# KiCad board STM32MP25XXAJ_DDR4.kicad_pcb (continued)
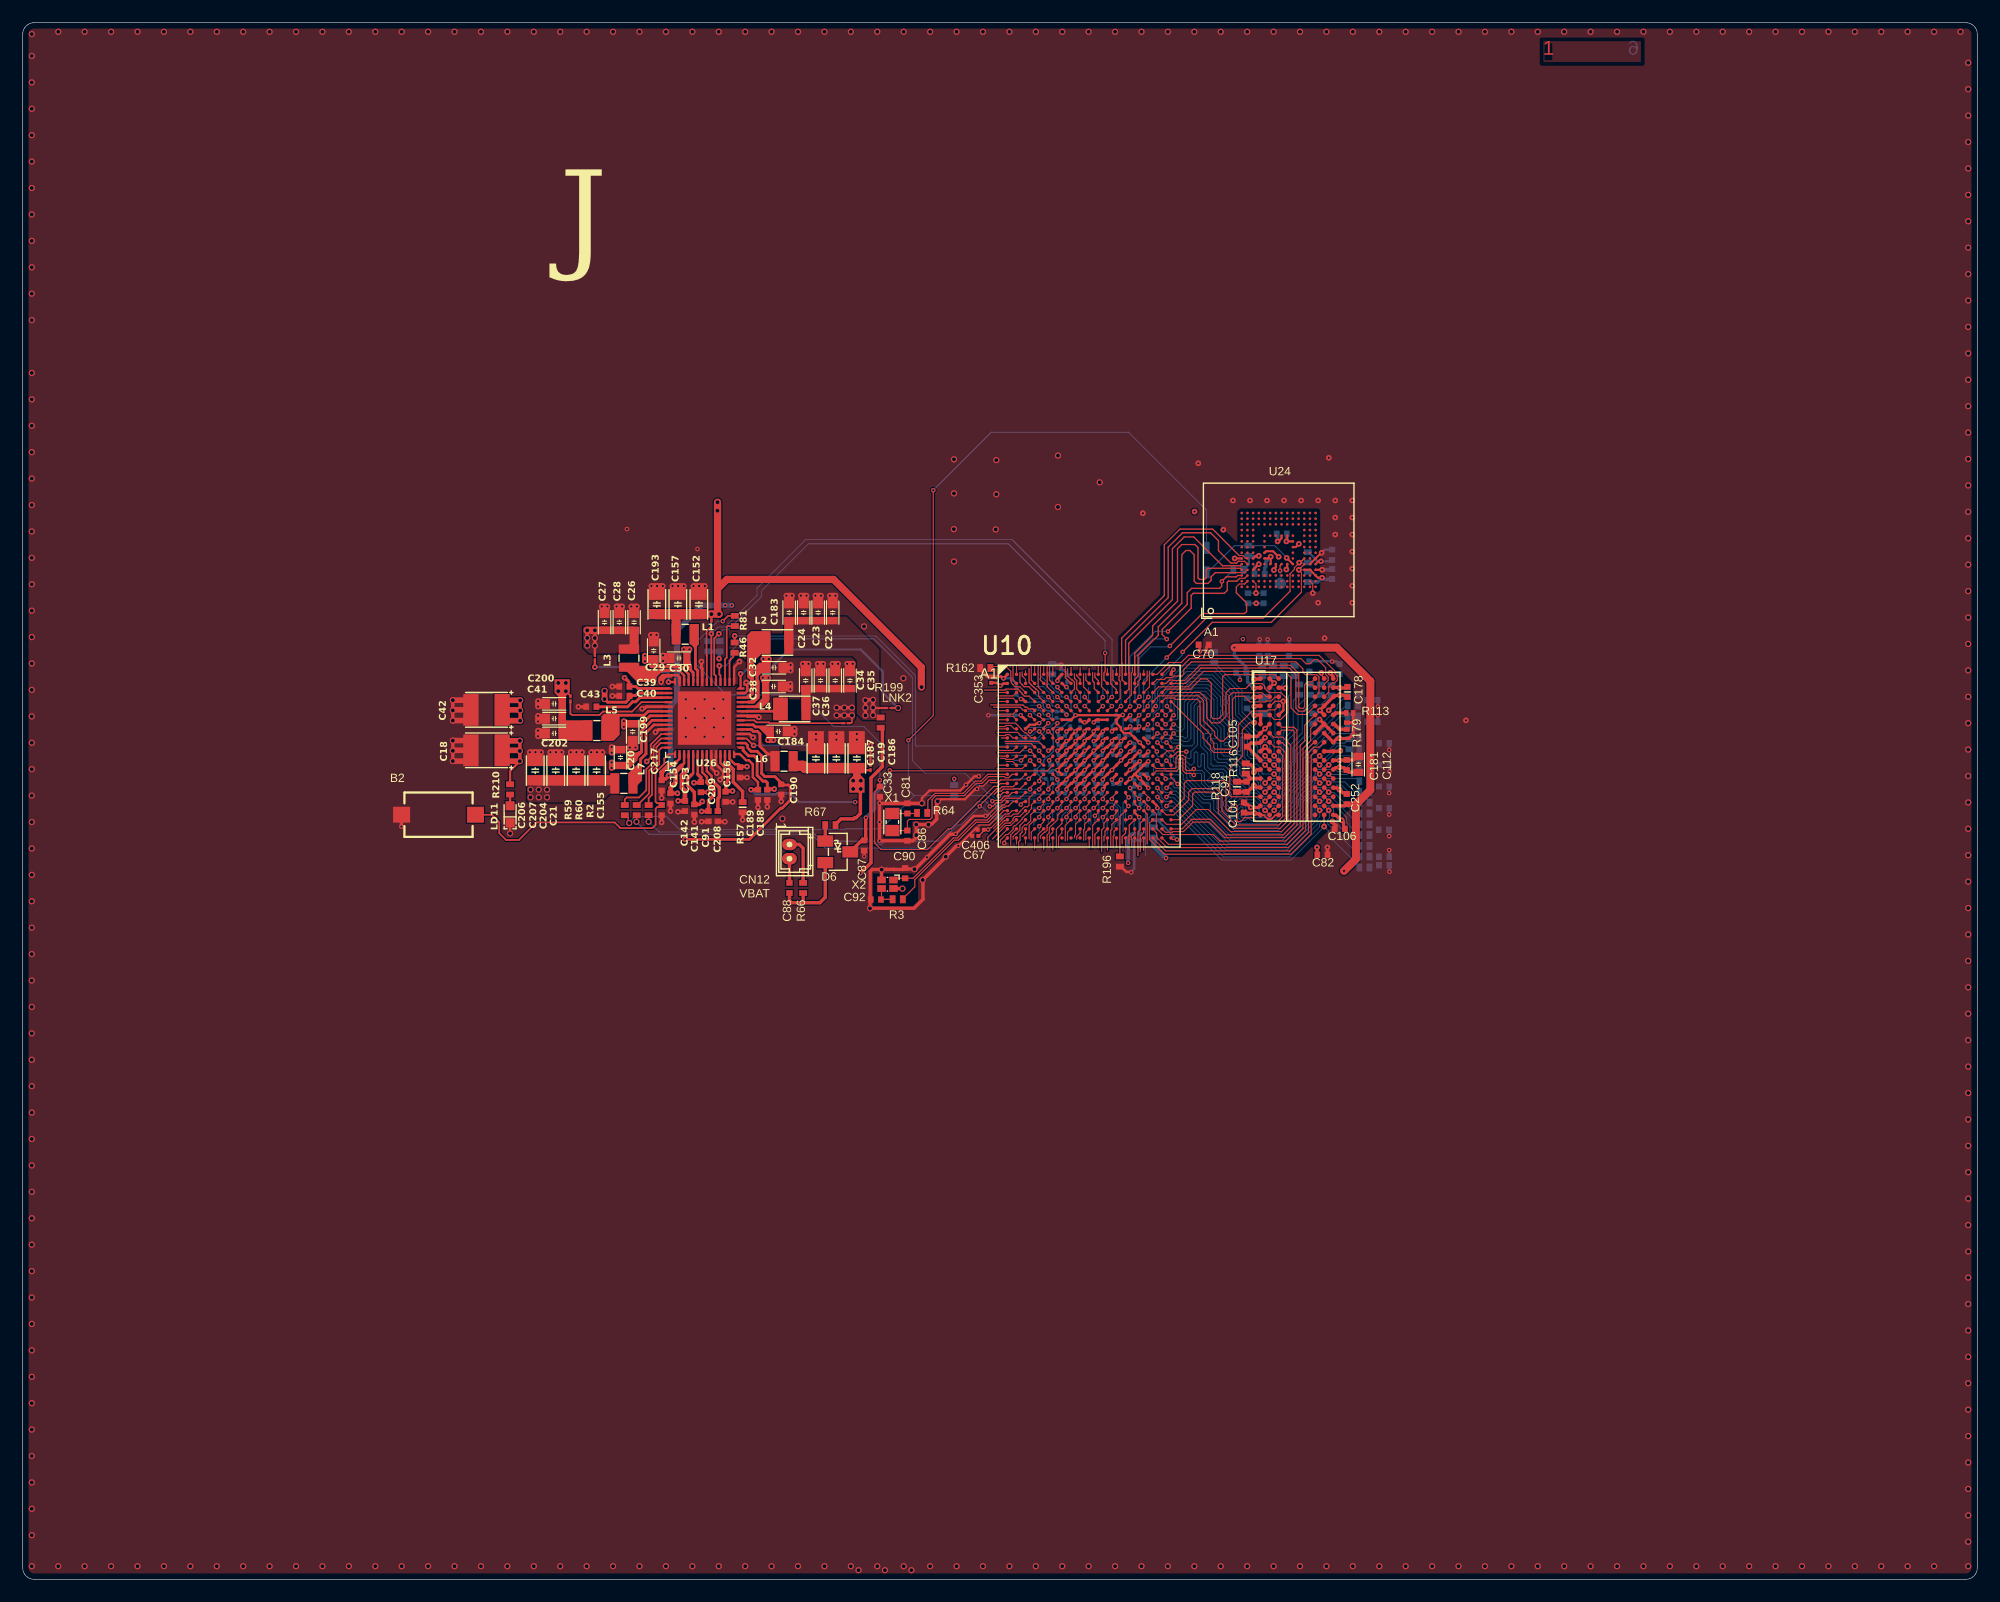
[diagram p0: board, top side]
## Routing (per net, layer and track width the routed paths; a pad name or vN(x,y) marks a point on that pad's centre or on a via; arc(x,y) is an arc through that point) (continued)
  vias: v2(109.33,70.08)
DDR_BG1: length 24.9
  Top Layer w0.09: 114.93,70.87 115.33,70.47 ; 100.65,72.05 U10.L19
  Top Layer w0.2: v1(100.64,72.05) 100.65,72.05
  Bottom Layer w0.09: 114.92,70.87 114.7,70.87 114.3,70.47 113.96,70.47 113.7,70.22 113.7,70.05 113.31,69.65 113.31,69.4 112.47,68.56 112.47,67.88 110.51,65.91 106.63,65.91 104.8,67.73 104.8,68.53 104.71,68.62 103.91,68.62 102.13,70.4 102.13,70.78 101.8,71.11 100.69,71.11 100.43,71.38 100.43,71.83 v1(100.64,72.05) ; v2(114.92,70.88) 114.97,70.83 116.51,70.83 116.88,71.2 R252.1
DDR_CASN: length 22.6
  Top Layer w0.09: 114.93,70.07 v2(114.92,70.08) 114.53,70.47 ; U10.M19 101.05,70.58 101.62,70
  Bottom Layer w0.09: 116.78,69.75 117.22,69.3 R278.1 ; 116.78,69.75 116.33,70.19 115.15,70.19 115.04,70.08 v2(114.92,70.08) ; v1(101.63,70) 101.72,70 106.39,65.33 110.75,65.33 112.89,67.48 112.89,68.39 113.73,69.23 113.73,69.44 113.97,69.68 114.44,69.68 114.83,70.07 114.92,70.07
DDR_CKE: length 26.8
  Top Layer w0.09: U10.F17 99.87,76.07 v1(99.88,76.07) ; 109.73,72.07 109.72,72.07 109.33,72.46
  Bottom Layer w0.09: R259.1 110.03,79.33 109.73,79.04 109.73,78.71 110.2,78.24 110.2,74.34 110.52,74.03 110.52,72.31 110.28,72.08 109.81,72.08 109.41,72.48 v2(109.32,72.48) 108.93,72.87 108.93,73.45 108.57,73.81 108.57,74.24 106.72,76.09 106.72,77.99 104.82,79.89 102.42,79.89 100.34,77.82 100.34,76.54 v1(99.88,76.07)
DDR_CLK_N: length 30
  Top Layer w0.09: 114.13,72.47 114.53,72.07 ; 99.45,71.65 99.74,71.36 101.39,71.36 101.48,71.45 ; 101.49,71.45 101.49,72.29 101.72,72.53 102.12,72.53 102.34,72.3 102.34,71.27 102.43,71.19 102.85,71.19 102.98,71.31 v1(103.06,71.31)
  Bottom Layer w0.09: 114.12,72.48 113.84,72.19 113.49,72.19 113.15,71.85 113.15,70.85 111.72,69.43 ; 116.78,73.95 116.68,73.95 116.47,73.74 116.47,73.72 116.35,73.6 115.58,73.6 115.1,73.11 115.1,72.75 114.61,72.26 114.38,72.26 114.17,72.47 v2(114.12,72.47) ; v1(103.06,71.31) 103.13,71.31 103.27,71.18 103.76,71.18 103.99,70.95 103.99,70.13 104.38,69.74 104.49,69.74 104.96,70.21 105.29,70.21 106.38,69.12 106.38,68.79 105.92,68.33 105.92,68.2 106.4,67.73 106.55,67.73 107.07,68.24 107.38,68.24 107.62,68 107.62,67.67 107.22,67.27 107.22,67.11 107.3,67.03 107.48,67.03 107.66,67.21 108.03,67.21 108.21,67.03 110.04,67.03 111.51,68.49 111.51,69.05 111.72,69.27 111.72,69.41
DDR_CLK_P: length 30
  Top Layer w0.09: 99.45,70.85 99.46,70.85 ; U10.M17 99.75,71.15 101.54,71.15 101.73,71.34 101.74,72.19 101.82,72.28 102.01,72.28 102.09,72.2 102.09,71.17 102.32,70.94 102.85,70.94 103,70.79 v1(103.06,70.79) ; 113.73,72.07 114.13,71.67
  Bottom Layer w0.09: 114.12,71.68 113.86,71.94 113.6,71.94 113.4,71.74 113.4,70.75 111.97,69.32 ; 111.97,69.32 111.97,69.17 111.76,68.95 111.76,68.39 110.15,66.78 108.1,66.78 107.92,66.96 107.76,66.96 107.58,66.78 107.2,66.78 106.97,67.01 106.97,67.37 107.37,67.78 107.37,67.9 107.28,67.99 107.17,67.99 106.66,67.48 106.29,67.48 105.67,68.09 105.67,68.44 106.13,68.89 106.13,69.02 105.18,69.96 105.06,69.96 104.59,69.49 104.27,69.49 103.74,70.03 103.74,70.85 103.65,70.93 103.27,70.93 103.12,70.79 v1(103.06,70.79) ; 116.78,73.05 116.56,73.26 116.46,73.26 116.37,73.35 115.69,73.35 115.35,73.01 115.35,72.64 114.72,72.01 arc(114.72,72.01) 114.72,72.01 114.47,72.01 114.13,71.68 v2(114.12,71.68)
DDR_CSN: length 26.9
  Top Layer w0.09: U10.J17 99.8,72.9 v1(99.8,72.85) ; 113.73,71.27 114.13,70.87
  Bottom Layer w0.09: v2(114.12,70.88) 114.08,70.88 113.51,70.3 113.51,70.16 113.1,69.75 113.1,69.64 112.55,69.08 112.55,68.94 112.26,68.65 112.26,68.08 110.39,66.2 106.75,66.2 106.6,66.35 106.6,66.55 106.46,66.7 106.25,66.7 105.09,67.85 105.09,68.82 105,68.91 104.03,68.91 102.42,70.52 102.42,71.14 101.99,71.58 101.7,71.58 101.52,71.4 101.09,71.4 101,71.49 101,72.2 100.57,72.63 100.33,72.63 100.09,72.4 99.93,72.4 99.81,72.53 99.81,72.84 ; 117.63,72.16 117.58,72.11 117.16,72.11 116.13,71.08 115.71,71.08 115.52,71.27 114.55,71.27 114.15,70.87 114.1,70.87
DDR_DQ0: length 22.8
  Top Layer w0.09: U17.F7 113.34,74.89 113.34,73.8 112.66,73.12 112.66,66.1 111.25,64.69 100.82,64.69 100.26,65.25
DDR_DQ1: length 23.6
  Top Layer w0.09: U10.W17 99.45,65.24 100.58,64.11 111.49,64.11 113.14,65.76 113.14,72.78 113.6,73.24 114.09,73.24 ; 114.1,73.24 114.53,73.67
DDR_DQ2: length 23.2
  Top Layer w0.09: U10.V17 99.45,66.02 99.78,65.69 99.78,65.32 100.7,64.4 111.37,64.4 112.9,65.93 112.9,72.95 113.63,73.68 U17.H7 ; 113.72,73.67 113.73,73.67
DDR_DQ3: length 24.8
  Top Layer w0.09: 99.45,66.85 99.15,66.55 99.15,65.11 100.44,63.82 111.61,63.82 113.38,65.59 113.38,72.53 U17.J7
DDR_DQ4: length 22.4
  Top Layer w0.09: 101.06,67.65 101.1,67.65 102.21,68.75 102.21,70.06 102.44,70.29 105.63,70.29 105.88,70.04 105.88,67.76 106.06,67.58 106.21,67.58 106.34,67.71 106.34,68.06 106.5,68.22 106.74,68.22 106.86,68.11 106.86,66.78 106.96,66.68 107.18,66.68 107.53,67.03 108.22,67.03 108.57,66.68 110.42,66.68 110.87,67.13 110.87,72.51 110.53,72.86 110.53,72.87
DDR_DQ5: length 22.4
  Top Layer w0.09: 100.25,67.65 100.63,67.28 101.3,67.28 102.6,68.58 102.6,69.28 102.92,69.59 105,69.59 105.53,69.07 105.53,67.63 106.77,66.39 110.54,66.39 111.11,66.96 111.11,72.78 110.63,73.25 110.15,73.25 109.73,73.67
DDR_DQ6: length 21.7
  Top Layer w0.09: 101.06,66.85 101.71,66.85 102.95,68.09 102.95,69.1 103.14,69.29 104.85,69.29 105.21,68.93 105.21,67.45 106.56,66.1 110.66,66.1 111.35,66.79 111.35,73.13 110.85,73.62 110.58,73.62 110.53,73.67
DDR_DQ7: length 22.3
  Top Layer w0.09: 109.73,74.47 110.08,74.12 110.88,74.12 111.59,73.4 111.59,66.62 ; 100.25,66.85 100.65,66.45 101.98,66.45 103.28,67.75 104.34,67.75 106.29,65.81 110.78,65.81 111.59,66.62
DDR_DQ8: length 18.5
  Top Layer w0.09: U17.D7 112.97,76.12 112.18,76.12 111.61,76.69 111.61,79.36 111.06,79.91 103.92,79.91 ; 103.92,79.91 103.91,79.91 102.55,78.55 99.95,78.55 99.45,78.05
DDR_DQ9: length 17.6
  Top Layer w0.09: U17.B8 114.53,78.48 114.53,78.77 114.88,79.11 114.88,79.41 114.66,79.62 114.66,80.23 113.94,80.96 113.63,80.96 113.24,80.58 112.94,80.58 112.48,81.03 102.7,81.03 102.07,80.41 101,80.41 100.25,79.66 U10.A18
DDR_DQ10: length 18.3
  Top Layer w0.09: U10.B17 99.8,79.2 100.47,79.2 100.62,79.36 101.2,79.36 101.34,79.5 102,79.5 102.17,79.68 102.17,80.08 102.84,80.74 112.04,80.74 112.65,80.13 112.65,79.83 112.86,79.62 113.87,79.62 114.07,79.41 114.07,78.03 U17.C7
DDR_DQ11: length 20.2
  Top Layer w0.09: U17.C8 114.93,78.08 114.93,78.58 115.25,78.9 115.45,78.9 115.68,79.13 115.68,79.51 115.48,79.71 115.48,79.92 114.08,81.32 102.58,81.32 101.95,80.7 100.87,80.7 99.82,79.65 U10.A17
DDR_DQ12: length 14.6
  Top Layer w0.09: 101.06,77.26 103.86,74.45 103.86,74.05 104.52,73.4 104.52,73.07 104.81,72.77 106.46,72.77 106.99,73.31 106.99,75.22 108.19,76.42 109.5,76.42 109.6,76.52 110.19,76.52 110.53,76.87
DDR_DQ13: length 18.7
  Top Layer w0.09: 108,77.23 107.51,77.72 106.73,77.72 106.47,77.45 106.47,73.21 106.32,73.06 104.93,73.06 104.81,73.19 104.81,73.66 104.55,73.92 104.55,74.32 103.6,75.27 103.6,77.23 103.38,77.45 101.45,77.45 101.32,77.57 100.57,77.57 100.25,77.25 ; 110.53,77.67 110.52,77.65 110.21,77.65 109.86,77.31 109.46,77.31 109.38,77.22 108,77.22
DDR_DQ14: length 17.3
  Top Layer w0.09: 99.45,77.25 99.96,77.76 103.49,77.76 103.89,77.35 103.89,75.57 104.89,74.58 104.89,74.25 105.37,73.78 105.65,73.78 106.18,74.3 106.18,77.76 106.44,78.03 108.78,78.03 108.78,78.03 109.07,78.03 109.41,77.69 109.71,77.69 U17.C2
DDR_DQ15: length 17.6
  Top Layer w0.09: 100.25,78.05 100.55,78.35 102.77,78.35 103.66,79.25 104.2,79.25 104.59,78.86 104.59,75.9 104.75,75.75 105.23,75.75 105.6,76.11 105.6,79.43 105.79,79.62 110.18,79.62 U17.A3
DDR_DQM0: length 25.7
  Top Layer w0.09: U17.E7 112.81,75.16 112.81,73.79 112.42,73.39 112.42,66.27 111.12,64.98 105.34,64.98 104.78,65.55 100.34,65.55 99.75,66.13 99.75,67.35 99.45,67.65
DDR_DQM1: length 18.8
  Top Layer w0.09: U10.C19 103.62,78.05 104.18,77.48 104.18,75.82 104.62,75.38 105.33,75.38 105.89,75.94 105.89,78.03 106.26,78.4 107.62,78.4 108.06,78.83 109.07,78.83 109.28,78.62 109.28,78.43 109.67,78.04 110.72,78.04 111.32,77.44 111.32,76.29 110.71,75.68 110.13,75.68 109.73,76.07
DDR_DQS0_N: length 23.6
  Top Layer w0.09: 100.25,66.05 100.55,65.75 101.16,65.75 101.22,65.8 102.15,65.8 102.99,66.64 104.42,66.64 105.79,65.27 111,65.27 112.13,66.39 112.13,74.73 111.87,74.99 110.81,74.99 110.53,75.27
DDR_DQS0_P: length 21.8
  Top Layer w0.09: 110.53,74.47 110.79,74.74 111.77,74.74 111.88,74.63 111.88,66.5 110.9,65.52 105.9,65.52 104.52,66.89 102.88,66.89 102.04,66.05 U10.V19
DDR_DQS1_N: length 19.7
  Top Layer w0.09: U10.B18 100.62,78.85 100.92,79.15 101.17,79.15 101.22,79.1 102.24,79.1 103.59,80.45 111.57,80.45 112.29,79.73 112.29,76.77 112.4,76.66 112.69,76.66 112.81,76.78 112.81,78.74 113.05,78.98 113.45,78.98 113.73,79.27
DDR_DQS1_P: length 18.8
  Top Layer w0.09: U10.B19 102.34,78.85 103.69,80.2 103.7,80.2 111.47,80.2 112.04,79.62 112.04,76.67 112.3,76.41 112.79,76.41 113.06,76.67 113.06,78.64 113.16,78.73 113.45,78.73 113.73,78.45
DDR_ODT: length 29.9
  Top Layer w0.09: 110.12,72.47 110.53,72.07 ; v1(100.65,73.65) U10.J19
  Bottom Layer w0.09: 110.06,72.51 109.75,72.82 109.75,73.48 109.56,73.67 109.12,73.67 108.86,73.93 108.86,74.36 107.01,76.21 107.01,78.11 104.94,80.18 102.3,80.18 100.05,77.94 100.05,76.71 99.85,76.51 99.83,76.51 99.49,76.17 99.49,74.3 99.74,74.05 99.96,74.05 100.19,73.82 100.19,73.72 100.27,73.64 100.65,73.64 ; v2(110.12,72.48) 110.12,73.9 109.75,74.27 109.75,78.13 109.23,78.65 109.23,79.29 109.02,79.5
DDR_RASN: length 26.4
  Top Layer w0.09: v1(99.85,73.65) U10.J18 ; 114.53,71.27 114.93,71.67
  Bottom Layer w0.09: 114.92,71.68 115.73,72.49 117.11,72.49 117.63,73.01 117.63,73.11 ; 114.92,71.67 114.69,71.67 114.29,71.27 113.95,71.27 113.73,71.05 113.73,70.92 113.73,70.9 113.73,70.9 113.73,70.79 113.3,70.36 113.3,70.23 112.26,69.2 112.26,68.95 112.05,68.74 112.05,68.28 110.27,66.49 107.07,66.49 106.58,66.99 106.37,66.99 105.38,67.97 105.38,68.94 105.12,69.2 104.15,69.2 102.71,70.64 102.71,71.26 102.11,71.87 101.4,71.87 101.29,71.98 101.29,72.32 100.59,73.02 100.48,73.02 v1(99.85,73.65)
  vias: v2(114.92,71.68)
DDR_RESETN: length 24.9
  Top Layer w0.09: v2(108.38,75.4) 107.97,75.4 107.32,74.75 107.32,72.45 106.22,71.34 106.22,69 106.34,68.87 108.93,68.87 ; 99.45,76.45 99.45,76.69 99.55,76.79
  Bottom Layer w0.09: 104.85,80.68 107.3,78.23 107.3,76.34 108.26,75.38 108.37,75.38 ; R176.2 104.64,80.49 104.51,80.49 104.49,80.47 102.18,80.47 99.86,78.16 99.86,77.26 99.73,77.13 99.73,76.88 99.7,76.85
  vias: v1(99.71,76.85)
DDR_WEN: length 27.7
  Top Layer w0.09: U10.E18 100.57,76.12 v1(100.57,76.05) ; 109.33,71.67 109.73,71.27
  Bottom Layer w0.09: 100.58,76.05 101.03,76.51 101.03,77.69 102.66,79.31 104.58,79.31 106.1,77.79 106.1,77.38 105.99,77.27 105.99,77.12 106.14,76.97 106.14,76.33 105.99,76.18 105.99,76 106.86,75.12 106.86,74.57 106.98,74.45 107.53,74.45 107.77,74.22 107.77,72.49 107.77,72.49 108.02,72.24 108.56,72.24 108.81,71.99 ; 108.81,71.99 108.99,71.99 109.3,71.67 109.33,71.67 109.73,71.27 110.28,71.27 110.57,71.56 110.57,71.82 110.93,72.18 110.93,74.53 111.38,74.98 111.38,77.73 111.57,77.93 111.57,79.12 111.92,79.48
  vias: v2(109.32,71.68)
DSI_CKN: length 1.6
  Top Layer w0.09: U10.B4 88.75,79.15 88.75,80.36
DSI_CKP: length 0.8
  Top Layer w0.09: U10.A4 89.05,80.46
DSI_D0N: length 0.8
  Top Layer w0.1: U10.A6 90.65,80.44
DSI_D0P: length 1.7
  Top Layer w0.1: 90.36,80.4 90.36,79.78 90.35,79.77 90.35,79.53 90.36,79.52 90.36,79.14 U10.B6
DSI_D1N: length 0.8
  Top Layer w0.09: U10.A5 89.85,80.46
DSI_D1P: length 1.7
  Top Layer w0.09: 89.56,80.39 89.56,79.78 89.56,79.77 89.56,79.53 89.56,79.52 89.56,79.14 U10.B5
DSI_D2N: length 0.3
  Top Layer w0.09: U10.A3 88.25,79.98
DSI_D2P: length 1.2
  Top Layer w0.09: U10.B3 88.25,79.2 87.95,79.5 87.95,79.88
DSI_D3N: length 0.8
  Top Layer w0.09: U10.A2 87.45,80.46
DSI_D3P: length 1.7
  Top Layer w0.09: 87.14,80.38 87.14,79.16 U10.B2
eMMC.SDMMC2_CK: length 24.8
  Top Layer w0.09: 111.53,86.96 111.53,88.5 111.82,88.8 111.82,88.8 111.91,88.88 111.91,89.03 112.32,89.45 v2(112.32,89.48)
  Top Layer w0.11: 112.4,89.48 v2(112.32,89.48) 112.4,89.48 ; 112.4,89.48 U24.M6 112.4,89.48 ; v1(98.24,76.05) 97.85,75.66 U10.F15 ; v1(100.67,81.12) 104.15,84.6 109.16,84.6 111.53,86.96
  Bottom Layer w0.11: 112.35,89.45 113.05,89.45 R49.1 ; 100.67,81.15 98.64,79.11 98.64,76.45 v1(98.24,76.05)
eMMC.SDMMC2_CMD: length 23.7
  Top Layer w0.09: v2(112.3,88.85) 112.3,88.83 112.53,88.61 112.53,86.88
  Top Layer w0.11: U24.M5 112.78,89.34 112.3,88.86 v2(112.3,88.85) ; 102.08,81.62 104.68,84.23 109.88,84.23 112.53,86.88 ; 98.64,75.65 99.04,76.05
  Bottom Layer w0.11: 113.12,88.65 112.92,88.85 v2(112.3,88.85) 112.29,88.84 ; v1(102.07,81.62) 102.05,81.6 102.05,81.36 100.89,80.2 100.89,80 99.64,78.75 99.64,77.32 99.35,77.04 99.35,76.32 99.08,76.05 v1(99.05,76.05)
eMMC.SDMMC2_D0: length 20.8
  Top Layer w0.11: U24.A3 106.92,88.35 106.8,88.23 105.9,88.23 105.51,87.83 ; U10.E15 v1(98.25,76.85) ; v1(105.53,87.83) 105.51,87.81 105.51,87.4 105.32,87.22 102.86,87.22 102.47,86.83 102.47,85.8 100.28,83.6 100.28,83.15 v1(100.67,82.75)
  Bottom Layer w0.11: v1(105.53,87.83) 106.55,88.85 106.55,88.9 ; 100.65,82.78 99.48,82.78 97.88,81.18 97.88,77.19 98.22,76.85
eMMC.SDMMC2_D1: length 22.1
  Top Layer w0.11: U24.A4 107.14,88.98 104.28,88.98 104.15,88.85 104.15,88.15 104,88 103.55,88 103.42,88.12 103.42,90.8 103.16,91.07 102,91.07 101.62,90.7 101.62,86.09 99.43,83.9 99.43,83.07 97.85,81.49 U10.A15
eMMC.SDMMC2_D2: length 22
  Top Layer w0.11: 107.27,89.35 107.13,89.21 105.58,89.21 103.05,91.74 102.21,91.74 101.17,90.7 101.17,86.22 97.33,82.38 97.33,79.8 97.35,79.78 97.35,78.36 U10.C14
eMMC.SDMMC2_D3: length 18.7
  Top Layer w0.09: 107.53,87.6 107.05,87.6 106.8,87.35
  Top Layer w0.11: U10.D15 v1(98.28,77.68) ; 106.8,87.35 106.8,86.83 107.7,85.93 107.7,85.18 107.52,85 103.8,85 v1(100.95,82.15) ; 107.53,87.6 U24.B2
  Bottom Layer w0.11: 98.25,77.68 98.25,81.07 99.25,82.07 100.85,82.07
eMMC.SDMMC2_D4: length 19.4
  Top Layer w0.09: 107.09,88.1 107.53,88.1
  Top Layer w0.11: U10.E14 97.52,76.92 ; v1(100.78,83.43) 102.82,85.48 102.82,86.6 103.01,86.78 105.74,86.78 106,87.04 106,87.75 106.1,87.85 106.85,87.85 107.09,88.1 ; 107.53,88.1 U24.B3
  Bottom Layer w0.11: 97.42,76.83 97.42,81.2 99.65,83.43 v1(100.78,83.43)
  vias: v1(97.45,76.83)
eMMC.SDMMC2_D5: length 22.2
  Top Layer w0.09: 106.8,88.6 107.53,88.6
  Top Layer w0.11: U10.B15 97.85,79.2 98.16,79.51 98.16,81.31 99.92,83.08 99.92,83.83 102,85.9 102,90.19 102.36,90.55 102.71,90.55 103.09,90.17 103.09,87.84 103.28,87.65 104.3,87.65 104.57,87.93 104.57,88.23 104.95,88.6 106.8,88.6 ; 107.53,88.6 U24.B4
eMMC.SDMMC2_D6: length 22
  Top Layer w0.09: 107.05,89.6 107.53,89.6
  Top Layer w0.11: 97.05,80.2 97.05,82.65 100.8,86.4 100.8,90.84 102.06,92.11 104.53,92.11 105.22,91.41 105.22,90.53 106.31,89.45 106.82,89.45 106.97,89.6 107.05,89.6 ; U10.A14 97.05,80.19 ; 107.53,89.6 U24.B5
eMMC.SDMMC2_D7: length 22.9
  Top Layer w0.09: 107.62,89.87 107.38,90.1 107.05,90.1
  Top Layer w0.11: U24.B6 107.76,89.87 107.62,89.87 ; U10.B14 96.75,79.16 96.75,80.61 96.7,80.65 96.7,82.83 100.46,86.58 100.46,91.05 101.84,92.43 104.72,92.43 107.05,90.1
HSE_IN: length 12.9
  Top Layer w0.1: 86.65,68.45 86.34,68.14 86.18,68.14 84.88,66.83 83.83,66.83 82.25,65.25 81.9,65.25 78.35,61.7 C90.2 76.77,61.7 X2.1
HSE_OUT: length 14.1
  Top Layer w0.1: 77.38,59.73 77.58,59.93 77.58,60.03 78.5,60.95 78.5,61.57 81.98,65.05 82.33,65.05 83.91,66.63 84.96,66.63 86.27,67.94 86.42,67.94 86.53,68.05 86.75,68.05 87.15,68.45 U10.R2
I2C7.SCL: length 50.2
  Top Layer w0.1: v1(95.25,81.53) 95.25,79.87 95.15,79.77 95.15,79.15 U10.B12
  Top Layer w0.15: U26.33 61,79.5 60.85,79.65 60.85,82.81 v2(61.26,83.23)
  Bottom Layer w0.1: 61.27,83.23 61.27,83.26 61.58,83.58 62.09,83.58 65.02,86.5 65.02,87.02 69.14,91.14 86.72,91.14 95.25,82.61 v1(95.25,81.53) ; 61.3,82.59 61.27,82.63 61.27,83.22
I2C7.SDA: length 53.4
  Top Layer w0.09: 95.75,77.65 95.75,77.6 95.44,77.3 95.44,77.25
  Top Layer w0.15: U26.34 v2(60.6,83.23)
  Bottom Layer w0.09: 95.87,82.7 95.87,77.67 v1(95.85,77.65)
  Bottom Layer w0.1: R260.1 60.42,82.58 60.6,82.76 v2(60.6,83.23) ; 60.61,83.23 61.2,83.81 61.83,83.81 64.62,86.6 64.62,87.23 68.9,91.51 87.06,91.51 95.87,82.7
JTCK_SWCLK: length 1.4
  Top Layer w0.09: U10.V1 86.65,66.03 85.68,65.06
JTDI: length 0.5
  Top Layer w0.09: 87.45,64.7 U10.W2
JTDO_SWDO: length 3.1
  Top Layer w0.1: U10.U1 86.6,66.85 86.52,66.77 86.4,66.77 84.92,65.3 84.92,64.59
JTMS_SWDIO: length 1.7
  Top Layer w0.09: U10.V2 87.45,66.03 86.94,65.52 86.94,65.38 86.94,65.37 86.94,64.56
LVDS1_D0N: length 1.7
  Top Layer w0.09: U10.F2 87.14,75.96 85.85,75.96
LVDS1_D0P: length 0.8
  Top Layer w0.09: 85.87,75.65 U10.F1
LVDS1_D1N: length 1.7
  Top Layer w0.09: 85.88,75.05 86.43,75.05 86.53,75.15 86.95,75.15 87.24,74.86 87.44,74.86 U10.G2
LVDS1_D1P: length 0.8
  Top Layer w0.09: 85.87,74.85 U10.G1
LVDS1_D2N: length 1.7
  Top Layer w0.09: U10.H2 87.13,74.05 86.84,74.34 86.53,74.34 86.44,74.26 85.87,74.26
LVDS1_D2P: length 0.5
  Top Layer w0.09: 86.12,74.05 86.65,74.05
LVDS1_D3N: length 1.5
  Top Layer w0.09: 86.06,72.25 86.43,72.25 86.52,72.17 87.16,72.17 U10.K2
LVDS1_D3P: length 0.8
  Top Layer w0.09: 85.87,72.45 U10.K1
LVDS1_D4N: length 1.7
  Top Layer w0.09: 85.9,72.95 87.15,72.95 U10.J2
LVDS1_D4P: length 0.8
  Top Layer w0.09: 85.87,73.25 U10.J1
MP257_WAKEUP: length 41.9
  Top Layer w0.09: 89.44,68.85 89.84,69.25
  Top Layer w0.15: v2(61.3,80.4) 61.3,79.65 61.4,79.55 U26.32
  Bottom Layer w0.09: v1(89.45,68.68) 87.6,68.68 87.46,68.54 85.76,68.54 85.12,69.18 84.88,69.18 84.16,69.91 83.94,69.91 82.9,70.95 79.4,70.95 78.3,72.05
  Bottom Layer w0.1: v2(61.3,80.4) 61.88,80.4 62.3,80.82 62.3,81.66 63.42,82.78 74.89,82.78 78.29,79.38 78.29,72.05
NetB2_2: length 26.2
  Top Layer w0.15: 39.88,67.29 41.27,67.29 41.93,66.63 41.93,65.67 42.53,65.07 43.66,65.07 45.21,66.62 52.09,66.62 52.59,66.11 55.42,66.11 55.7,66.39 55.7,67.82 ; 55.7,67.83 55.85,67.97 56.05,67.97 C155.2 56.06,68.31 55.84,68.31 55.69,68.46 55.69,71.01 56.46,71.78 56.46,72.24 56.85,72.63 57.4,72.63
NetC43_2: length 6.7
  Top Layer w0.21: 56.27,77.6 U26.45
  Top Layer w0.25: 50.51,76.79 53.23,76.79 53.68,77.23 53.95,77.23 54.32,77.6 56.27,77.6
NetC81_1: length 2.2
  Top Layer w0.1: X1.1 78.65,67.4 R64.2
NetC88_1: length 2.1
  Top Layer w0.3: C88.1 CN12.2
NetC88_2: length 8
  Top Layer w0.3: C88.2 67.47,59.73 67.65,59.55 68.67,59.55 ; D6.2 70.62,60.03 70.15,59.55 68.67,59.55 ; 68.67,59.55 R66.2
NetC92_1: length 1.9
  Top Layer w0.1: 76.48,59.73 76.35,59.85 75.55,59.85 75.55,59.85 75.57,59.88 X2.3
NetC94_2: length 2.8
  Top Layer w0.3: 106.86,70.2 107.73,70.2 107.96,70.43 107.96,70.58 107.83,70.71 107.83,70.8 107.72,70.91 107.63,70.91 ; 108.03,70.47 108.93,70.47
NetC182_2: length 2.6
  Top Layer w0.09: U24.C2 108.53,87.6 v2(108.53,86.8)
  Bottom Layer w0.11: C182.2 v2(108.53,86.8) C481.2 109.22,86.78
NetC208_1: length 5.4
  Top Layer w0.21: 60.8,70.17 60.62,70.34 60.62,70.71 60.2,71.13 U26.8
  Top Layer w0.3: 60.8,70.17 61.3,69.67 61.3,68.84 61.18,68.72 61.18,67.71
NetC384_2: length 1
  Top Layer w0.09: 90.26,72.06 U10.K6
  Bottom Layer w0.2: v1(90.32,72.08) 90.36,72.04 90.36,71.78 90.46,71.68 C384.2
NetC407_2: length 48.1
  Top Layer w0.1: v1(98.25,68.68) 97.85,69.07 U10.P15 ; U10.U14 97.22,66.85 v1(97.45,67.08) ; v1(98.25,67.88) 97.85,68.28 U10.R15
  Top Layer w0.3: R199.2 75.65,74.8 75.65,71.53 74.65,70.52 74.65,63.07 v1(73.72,62.15)
  Signal Layer 2 2 w0.3: 97.29,63.05 96.6,63.05 93.58,60.03 75.82,60.03 73.72,62.12 v1(73.72,62.15)
  Bottom Layer w0.1: C417.2 98.38,68 v1(98.25,67.88) v1(97.45,67.08) 97.49,67.08 97.8,66.76 C407.2 ; 98.38,68.28 98.38,68.55
  Bottom Layer w0.3: C407.2 97.78,65.58 97.55,65.58 97.28,65.3 v1(97.28,63.05) ; 98.28,68.68 98.28,68.95 98.38,69.06
NetC408_2: length 2.9
  Top Layer w0.1: U10.R16 99.05,68.05 v1(99.05,67.88)
  Bottom Layer w0.1: v1(99.05,67.88) 99.35,67.58 99.35,67.5 99.45,67.4 ; 99.53,66.15 99.1,66.58 99.1,67.02 99.33,67.25 99.35,67.25 C408.2
NetCN12_1: length 4.4
  Top Layer w0.3: CN12.1 68.34,64.68 68.67,64.34 R66.1
NetD5_1: length 9.2
  Top Layer w0.18: v2(111.22,89.9) U24.K5
  Bottom Layer w0.1: D5.1 104.25,88.63 ; 104.25,88.6 106.62,90.98 R248.1 110.17,90.98 111.2,89.95
NetD6_1: length 1.4
  Top Layer w0.3: D6.1 R67.1
NetL1_1: length 4.2
  Top Layer w0.21: U26.37 59.4,79.53
  Top Layer w0.25: 59.4,79.53 59.4,79.97 59.2,80.17 59.2,83.14
NetL2_1: length 4.1
  Top Layer w0.2: 63.42,77.6 63.9,77.6 64.22,77.93 64.22,80.56 ; 65.35,81.69 65.35,82.2
NetL3_1: length 5.9
  Top Layer w0.15: 53.2,80.16 53.35,80.01
  Top Layer w0.21: L3.1 53.63,79.99 57.77,79.99 58.2,79.56 U26.40
NetL4_1: length 3.8
  Top Layer w0.15: 66.86,75.89 66.86,76.4
  Top Layer w0.21: U26.23 63.73,76.4
  Top Layer w0.25: 63.73,76.4 66.5,76.4
NetL5_1: length 7.2
  Top Layer w0.15: 51.12,74.45 51.37,74.7 ; 51.59,74.59 51.59,75.1
  Top Layer w0.21: 56.27,76.4 U26.48
  Top Layer w0.25: 56.27,76.4 55.05,76.4 54.7,76.05 51.77,76.05 51.32,75.6 ; 51.59,75.1 51.59,75.62
NetL6_1: length 4.9
  Top Layer w0.21: U26.19 63.73,74.8
  Top Layer w0.25: 63.73,74.8 64.12,74.8 64.3,74.63 64.65,74.63 64.88,74.4 64.88,73.33 65.57,72.63 65.92,72.63 65.93,72.62 65.93,72.02
NetL7_1: length 7.4
  Top Layer w0.21: 56.27,75.2 U26.51
  Top Layer w0.25: 56.27,75.2 55.55,75.2 54.85,74.5 54.85,72.66 54.37,72.18 54.37,70.35 53.98,69.95 ; 53.93,70.43 53.93,70.67
NetLD11_1: length 1
  Top Layer w0.2: LD11.1 R210.2
NetR2_2: length 6.1
  Top Layer w0.15: U26.56 56.23,73.2 56.01,72.99 56.01,71.73 55.37,71.09 55.37,69.06 55.08,68.76 R2.2
NetR46_2: length 2.8
  Top Layer w0.15: U26.30 62.2,80.87 62.53,81.2 62.53,81.43 R46.2
NetR57_2: length 4.9
  Top Layer w0.21: U26.12 61.8,72.02 61.97,71.85
  Top Layer w0.3: R57.2 63.35,69.35 62.52,70.17 62.52,71.29 61.97,71.85
NetR59_2: length 8.5
  Top Layer w0.15: R59.2 52.98,68.64 53.15,68.81 54.24,68.81 54.87,69.45 54.87,71.3 55.51,71.94 55.51,73.34 56.18,74 U26.54
NetR60_2: length 7.1
  Top Layer w0.15: U26.55 56.13,73.6 55.76,73.23 55.76,71.83 55.12,71.19 55.12,69.17 54.1,68.15 R60.2
NetR81_2: length 5.7
  Top Layer w0.15: R81.2 62.04,83.9 61.95,83.81 61.95,81.12 61.8,80.97 U26.31
NetR112_2: length 0.9
  Top Layer w0.1: 99.03,75.27 98.65,74.89 U10.G16
  Bottom Layer w0.1: 99.03,74.88 v1(99.03,75.25)
NetR113_2: length 1.2
  Top Layer w0.28: 116.49,76.25 115.54,76.25 115.36,76.07 115.33,76.07
NetR161_1: length 2
  Top Layer w0.1: 91.05,78.55 v1(91.05,78.53) 91.05,78.45 U10.C7
  Bottom Layer w0.1: 91.05,78.55 90.6,79 R161.1
NetR162_1: length 4.7
  Top Layer w0.09: R162.1 85.29,80.34 86.53,80.34 86.95,79.92 86.95,79.08 87,79.03 87,78.89 87.16,78.74 87.16,78.73 87.33,78.56 87.75,78.56 U10.C3
NetR179_2: length 1.4
  Top Layer w0.3: 115.33,75.27 115.35,75.25 115.44,75.25 115.89,74.8 116.54,74.8
NetR196_2: length 4.2
  Top Layer w0.1: R196.2 96.55,67.15 U10.T14
NetTP9_1: length 1.9
  Top Layer w0.09: 110.65,88.78 110.65,89.22 U24.H5
  Bottom Layer w0.09: v1(110.65,88.78) 110.65,87.6 110.7,87.55
NJTRST: length 2.8
  Top Layer w0.09: 85.32,65.15 86.52,66.34 86.95,66.34 U10.U2
NRST: length 48.8
  Top Layer w0.09: 81.73,66.05 83.86,68.18
  Top Layer w0.1: v1(75.42,70.35) 75.42,70.35 C33.2 75.4,69.78 75.19,69.57 75.19,69.54 74.97,69.32 74.97,64.79 75.53,64.23 79.62,64.23 81.44,66.05 81.73,66.05 ; 83.86,68.18 83.86,68.2 85.45,69.78 85.77,69.78 86.02,70.03 86.63,70.03 U10.N1
  Top Layer w0.15: R81.1 62.07,84.8 v1(61.6,84.33)
  Bottom Layer w0.1: v1(75.42,70.35) 75.43,70.36 75.43,73.64 74.01,75.06 71.35,75.06 68.57,77.85 61.91,77.85 59.16,80.6 59.16,82.35 61.14,84.33 v1(61.6,84.33)
NRSTC1MS: length 98.6
  Top Layer w0.1: v1(77.94,73.84) 80.12,76.02 v1(80.12,95.85) ; U10.P2 87.08,69.25 86.78,68.95 86.44,68.95 86.03,68.54 85.38,68.54 v1(85.33,68.49) ; R59.1 53.07,67.25 53.28,67.04 53.28,66.77 53.37,66.69 v3(53.37,66.56)
  Bottom Layer w0.1: v1(80.12,95.85) 85.22,100.95 97.33,100.95 104.17,94.1 D5.2 ; 78.44,68.98 84.83,68.98 84.9,68.9 v1(85.33,68.49) ; 78.44,68.97 77.94,69.47 v1(77.94,73.84) ; v3(53.37,66.56) 53.68,66.94 arc(53.82,67.05) 54,67.09 56.53,67.17 56.61,67.17 57.8,65.99 72.36,65.99 72.42,66.05 75.52,66.05 78.45,68.98 ; R272.1 85.62,68.16 v1(85.33,68.49) ; v1(85.33,68.49) 85.32,68.48
OSC32_IN: length 14.5
  Top Layer w0.1: 87.44,70.85 87.07,70.85 86.77,70.55 86.47,70.55 86.38,70.65 85,70.65 84.4,70.05 83.91,70.05 82.83,68.98 80.35,68.98 80.02,68.65 80.02,67.04 79.85,66.88 78,66.88 77.85,66.73 C86.1 X1.2
OSC32_OUT: length 9.2
  Top Layer w0.1: U10.M1 84.92,70.85 84.32,70.25 83.83,70.25 82.75,69.18 80.27,69.18 79.65,68.56 79.65,67.56 79.73,67.56 79.6,67.43
PA1: length 3.8
  Top Layer w0.1: v1(97.32,68.83) 97.08,69.07 97.08,69.22 U10.P14
  Bottom Layer w0.1: v1(97.32,68.83) 96.84,68.34 96.84,65.8
PA2: length 1.1
  Top Layer w0.09: 93.44,67.25 93.84,67.65
  Bottom Layer w0.09: 93.44,66.56 93.44,67.08
  vias: v1(93.45,67.08)
PA3: length 3
  Top Layer w0.09: 95.44,66.85 95.14,66.55 95.14,66.15 94.95,65.95 94.95,64.02
PA4: length 1.1
  Top Layer w0.09: 96.24,67.65 96.23,67.63 96.23,67.45 v1(95.85,67.08)
  Bottom Layer w0.09: 95.85,66.7 95.85,67.07
